# Altium PCB GridSeed.PcbDoc (part 4 of 4)
Units mm, origin at the board's own origin, x right, y up, seen from the top; angles counter-clockwise.
Board outline 91 x 132.25 mm, 4 copper layers (Top Layer, Mid-Top Layer, Mid-Bottom Layer, Bottom Layer); 396 components, 143 nets, 1833 pads, 2320 vias.
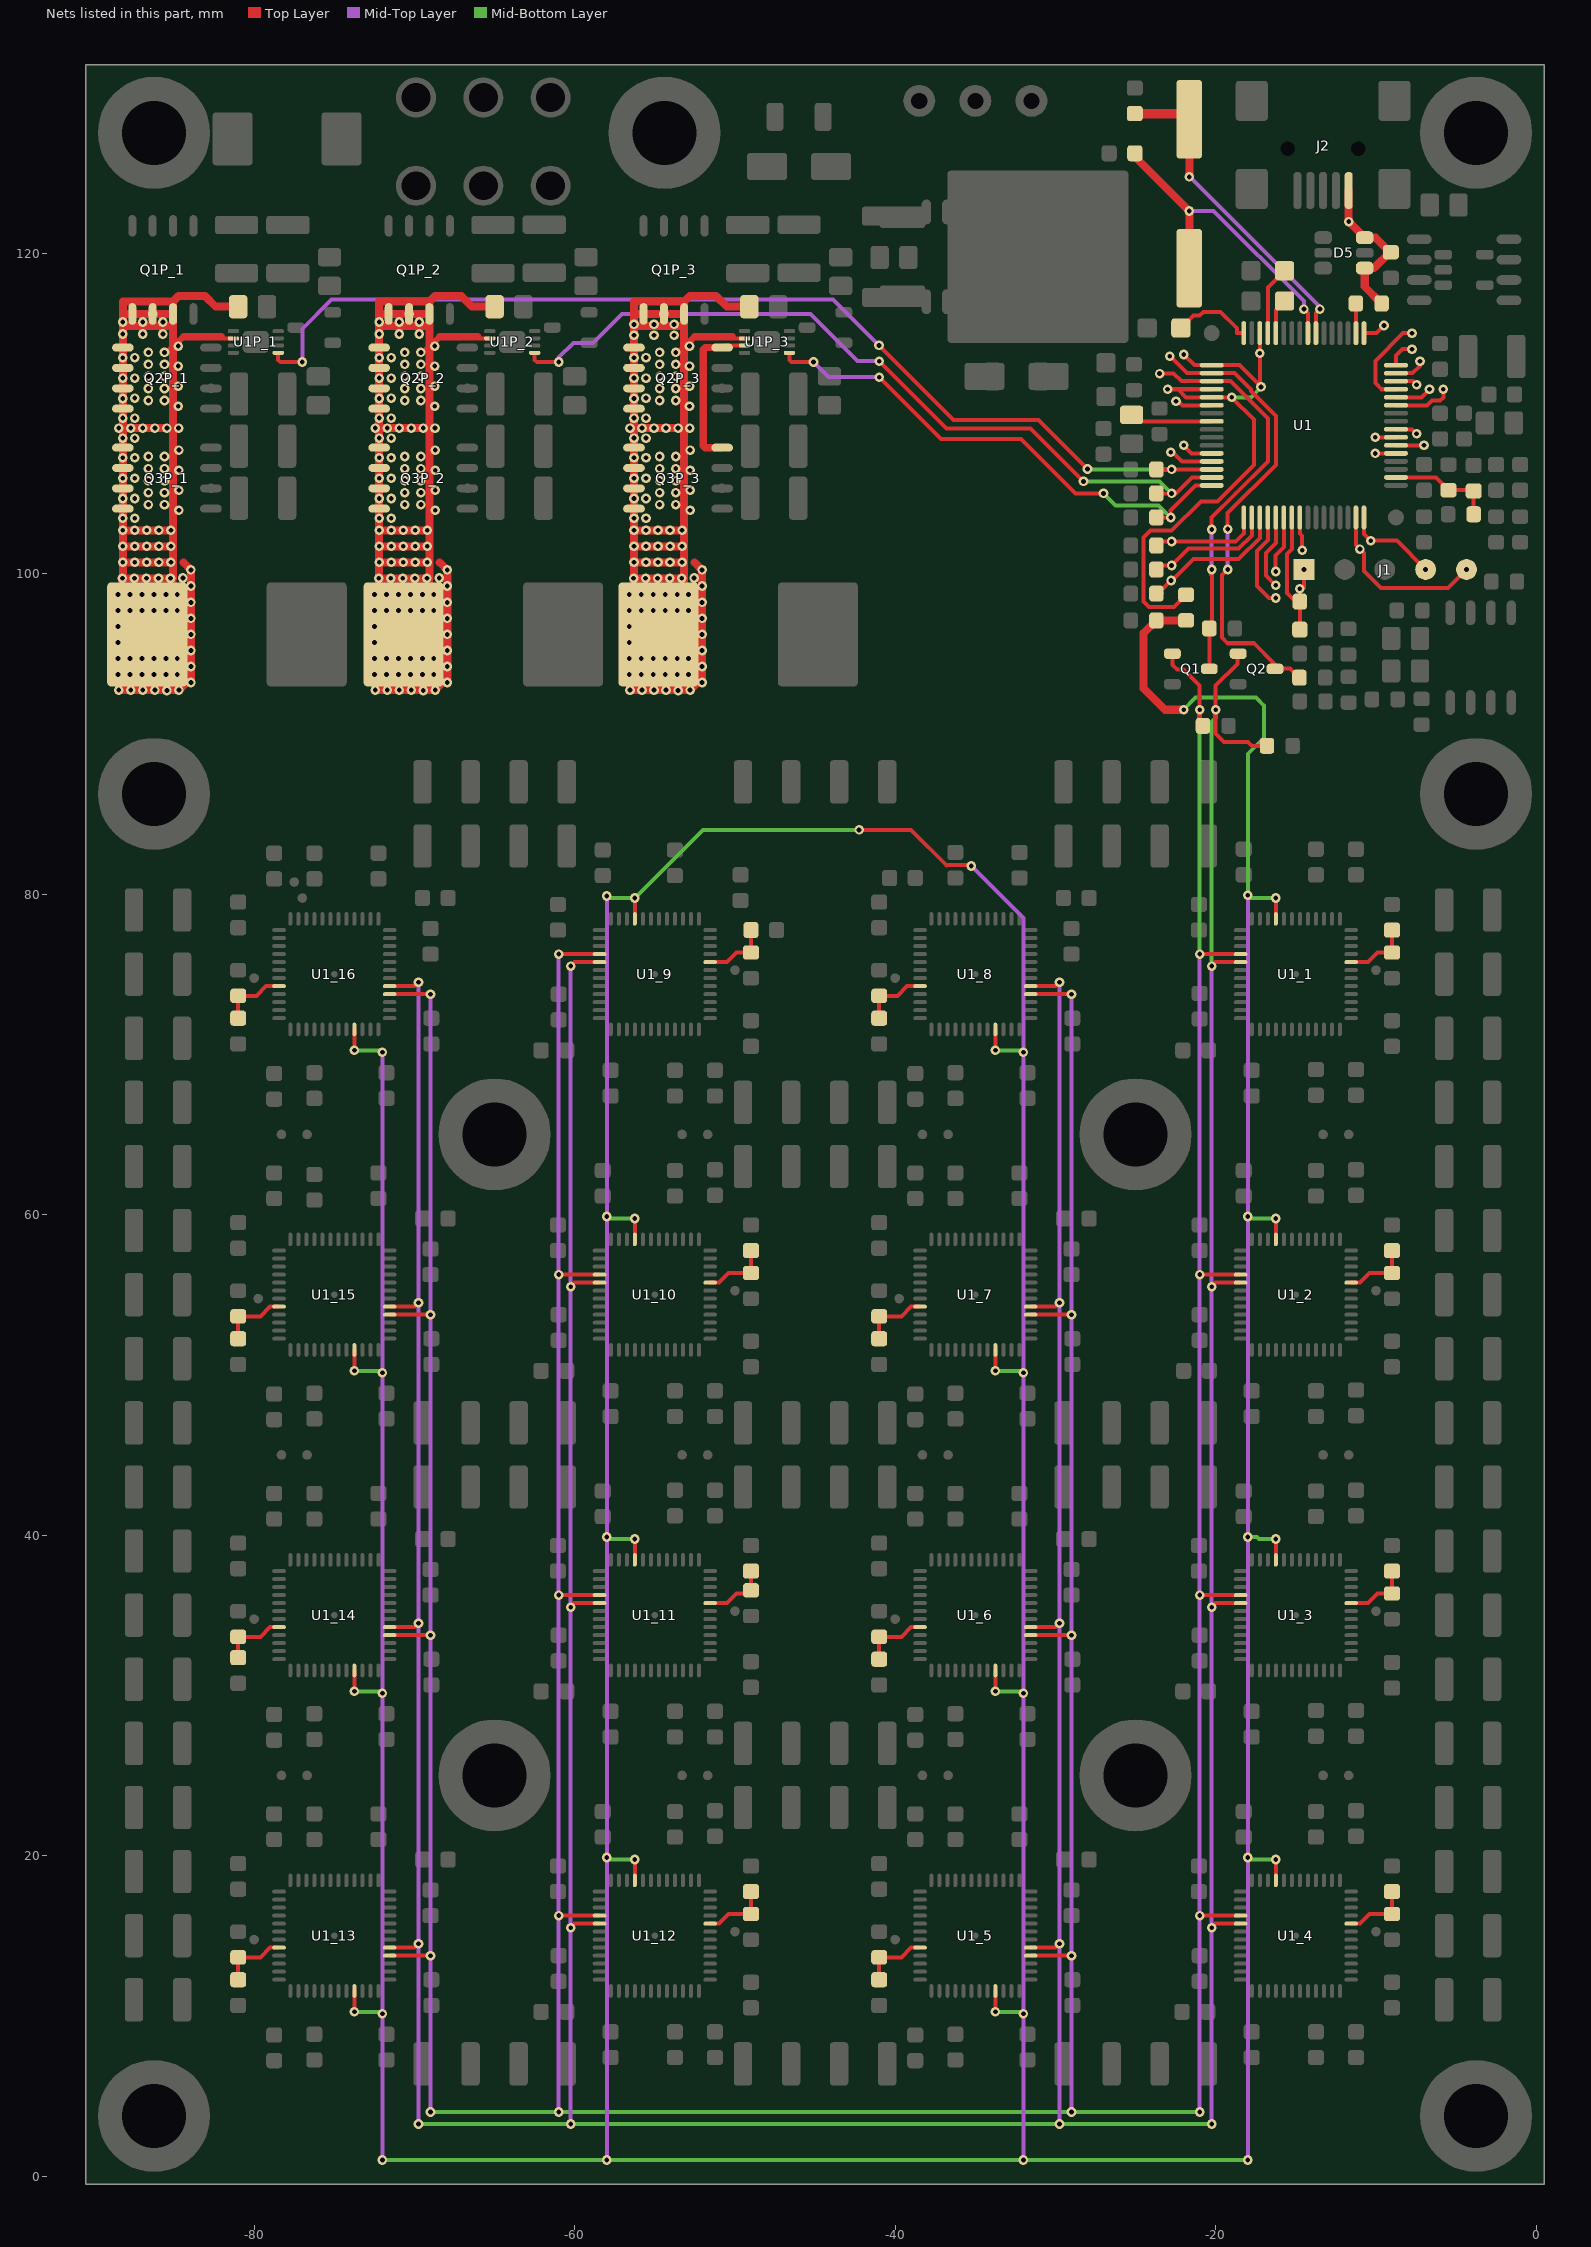
[diagram p6: the nets of this part, all layers, seen from the top]

## Via types
v1: diameter 0.6, hole 0.3, Top Layer to Bottom Layer, tented both sides, 1744 vias
v2: diameter 0.6, hole 0.3, Top Layer to Bottom Layer, 576 vias

## Nets (pads, with @x,y where several pads share a name; then routed paths per layer and width w, separated by ;. In a path a pad name is that pad's centre, name@x,y a point inside that pad or via, vN(x,y) a via of type N, cw(c..) or ccw(c..) an arc to the next point about the centre after c; other vN are vias at no path point) (continued)
LO3: Q2P_3.4 Q3P_3.4 U1P_3.3 | length 9.7
  Top Layer w0.25: Q2P_3.4@-50.65,114.225 U1P_3.3@-49.4,114.225 U1P_3.3@-49.375,114.225
  Top Layer w0.45: Q3P_3.4@-50.85,107.855 -51.855,107.855 -51.975,107.975 -51.975,113.987 -51.862,114.1 Q2P_3.4@-50.8,114.1
"MAIN OSC IN": C12.1 U1.39 Y1.1 | length 20.4
  Top Layer w0.25: Y1.1@-22,128.7 Y1.1@-21.65,128.35 ; U1.39@-13.75,115 -13.75,116.25 v1(-13.5,116.5)
  Top Layer w0.5: v1(-21.65,124.75) Y1.1@-21.65,128.35
  Top Layer w0.6: C12.1@-25.05,128.7 Y1.1@-22,128.7
  Mid-Top Layer w0.25: v1(-21.65,124.75) -21.614,124.75 -13.5,116.636 v1(-13.5,116.5)
"MAIN OSC OUT": C13.1 U1.40 Y1.2 | length 20.6
  Top Layer w0.25: C13.1@-25.05,126.025 C13.1@-25.05,126.225 ; Y1.2@-21.974,118.726 Y1.2@-21.65,119.05 Y1.2@-21.65,121.2 ; v1(-14.5,116.5) -14.25,116.25 U1.40@-14.25,115
  Top Layer w0.5: C13.1@-25.05,126.025 v1(-21.65,122.625) Y1.2@-21.65,121.2
  Mid-Top Layer w0.25: v1(-21.65,122.625) -20.125,122.625 -14.5,117 v1(-14.5,116.5)
MCLR: C7.1 J1.1 R22.1 U1.7 | length 9.8
  Top Layer w0.254: U1.7@-15.25,103.5 -15.25,101.525 -15.548,101.227 -15.548,98.798 R22.1@-14.75,98 ; C7.1@-14.75,96.5 R22.1@-14.75,98 ; v1(-14.5,100.25) -14.5,99.125 -14.75,98.875 R22.1@-14.75,98
  other v1: -14.75,99.05
MCU5.0V: R23.2 U1.34 | length 1.8
  Top Layer w0.25: U1.34@-11.25,115 R23.2@-11.25,116.85
MCU_MISO0: U1.5 | length 4.8
  Top Layer w0.25: v1(-16.25,99.275) -16.284,99.275 -16.875,99.866 -16.875,101.275 -16.25,101.9 U1.5@-16.25,103.5
MCU_MOSI0: U1.6 | length 3.6
  Top Layer w0.25: v1@-16.275,100.125 -16.275,101.139 -15.75,101.664 U1.6@-15.75,103.5 U1.6@-15.755,103.495
  other v1: -16.25,100.125
MCU_SCK0: U1.4 | length 6
  Top Layer w0.25: U1.4@-16.75,103.5 -16.75,102.091 -17.425,101.416 -17.425,99.225 -16.675,98.475 v1(-16.25,98.475)
MEAS12: C2.1 R15.2 R16.2 U1.18 | length 6.7
  Top Layer w0.25: U1.18@-8.75,106 -6.25,106 -5.45,105.2 -3.95,105.2 C2.1@-3.9,105.15 R15.2@-3.9,103.7
ORANGE: D4.2 U1.45 | length 4.3
  Top Layer w0.25: U1.45@-16.75,115 -16.75,117.85 D4.2@-15.7,118.9
PGC: J1.5 U1.15 | length 10.9
  Top Layer w0.25: U1.15@-11.25,103.5 -11.25,101.775 v1(-11,101.525) -10.75,101.275 -10.75,100.171 -9.679,99.1 -5.5,99.1 v1(-4.35,100.25)
PGD: J1.4 U1.16 | length 5.8
  Top Layer w0.25: U1.16@-10.75,103.5 -10.75,102.475 v1(-10.326,102.051) -8.701,102.051 v1(-6.9,100.25)
PWM1H: U1.61 | length 2.8
  Top Layer w0.25: v1(-22.808,107.575) -22.691,107.575 -22.116,107 U1.61@-20.25,107
PWM1L: U1.60 | length 2
  Top Layer w0.25: v1(-22,108) -21.5,107.5 U1.60@-20.25,107.5
PWM2H: R10.1 U1.63 U1P_2.5 | length 50.4
  Top Layer w0.25: U1P_2.5@-62.5,113.75 -62.5,113.325 -62.362,113.187 -60.85,113.187 -60.863,113.2 v1(-61,113.2) ; v1(-41,113.25) -36.812,109.062 -31.562,109.062 v1(-28.25,105.75) ; R10.1@-23.7,105 v1(-22.75,105) -22.483,105 -21.483,106 U1.63@-20.25,106
  Mid-Top Layer w0.25: v1(-61,113.2) -61,113.484 -60.084,114.4 -58.85,114.4 -57.05,116.2 -45.3,116.2 -42.35,113.25 v1(-41,113.25)
  Mid-Bottom Layer w0.25: v1(-28.25,105.75) -23.5,105.75 v1(-22.75,105)
PWM2L: R11.1 U1.62 U1P_1.5 | length 67.2
  Top Layer w0.25: U1P_1.5@-78.5,113.75 -78.5,113.325 -78.362,113.187 -76.85,113.187 -76.863,113.2 v1(-77,113.2) ; v1(-41.012,114.237) -36.35,109.575 -31.05,109.575 v1(-28,106.525) ; R11.1@-23.7,106.5 v1(-22.75,106.5) U1.62@-20.25,106.5
  Mid-Top Layer w0.25: v1(-77,113.2) -77,115.275 -75.175,117.1 -43.875,117.1 v1(-41.012,114.237)
  Mid-Bottom Layer w0.25: v1@-28,106.5 v1(-22.75,106.5)
PWM3H: R12.2 U1.1 | length 6.7
  Top Layer w0.25: R12.2@-23.7,102 v1(-22.75,102) -18.75,102 -18.25,102.5 U1.1@-18.25,103.5
PWM3L: R9.1 U1.64 U1P_3.5 | length 33.1
  Top Layer w0.25: U1P_3.5@-46.6,113.75 -46.6,113.325 -46.462,113.187 -44.95,113.187 -44.963,113.2 v1(-45.1,113.2) ; v1(-41,112.25) -37.15,108.4 -32.15,108.4 -28.75,105 v1(-27,105) ; R9.1@-23.7,103.5 v1(-22.808,103.5) -22.808,103.942 -21.25,105.5 U1.64@-20.25,105.5
  Mid-Top Layer w0.25: v1(-45.1,113.2) -44.15,112.25 v1(-41,112.25)
  Mid-Bottom Layer w0.25: v1(-27,105) -26.25,104.25 -23.558,104.25 v1(-22.808,103.5)
PWM4H: R14.2 U1.3 | length 9
  Top Layer w0.25: R14.2@-23.7,98.75 R14.2@-23.35,98.75 ; R14.2@-23.35,99 v1(-22.783,99.567) ; v1@-22.726,99.576 -21.4,100.903 -18.574,100.903 -17.25,102.227 U1.3@-17.25,103.5
PWM4L: R13.2 U1.2 | length 7.8
  Top Layer w0.25: R13.2@-23.625,100.5 v1(-22.75,100.5) -21.7,101.55 -18.564,101.55 -17.75,102.364 U1.2@-17.75,103.5
  Mid-Bottom Layer w0.25: v1@-22.75,100.484 v1(-22.75,100.5)
RED: D1.2 U1.48 | length 5.1
  Top Layer w0.25: D1.2@-22.158,115.335 -21.393,116.1 -21,116.1 -20.766,116.334 -19.698,116.334 -18.671,115.307 -18.671,115 U1.48@-18.25,115
REPORT_N: Q1.3 R1.1 U1.51 | length 25.8
  Top Layer w0.25: v1(-23.5,112.475) -22.619,112.475 -22.144,112 -19.075,112 -16.75,109.675 -16.75,107 -18.75,105 -20.25,103.5 v1(-20.25,102.75) ; Q1.3@-20.4,94.05 R1.1@-20.4,96.575 -20.243,96.732 -20.243,100.243 v1(-20.25,100.25)
  Mid-Top Layer w0.25: -20.25,99.925 v1(-20.25,100.25) v1(-20.25,102.75)
  Mid-Bottom Layer w0.25: v1(-20.25,100.25) -20.25,99.925 ; -20.25,99.925 -20.25,99.9 -20.243,99.893 -20.243,99.918 -20.25,99.925
REPORT_NA: Q1.1 R24.1 U1_1.16 U1_2.16 U1_3.16 U1_4.16 U1_5.16 U1_6.16 U1_7.16 U1_8.16 U1_9.16 U1_10.16 U1_11.16 U1_12.16 U1_13.16 U1_14.16 U1_15.16 U1_16.16 | length 392.9
  Top Layer w0.25: U1_16.16@-71.55,73.75 -70.5,73.75 ; U1_13.16@-71.475,13.75 -69.25,13.75 v1(-69,13.75) ; U1_14.16@-71.475,33.75 -70.5,33.75 v1(-69,33.75) ; U1_15.16@-71.475,53.75 -69.25,53.75 v1(-69,53.75) ; -70.5,73.75 v1(-69,73.75) ; v1(-61,36.25) -60.75,36.25 U1_11.16@-58.525,36.25 ; v1(-61,56.25) -60.75,56.25 U1_10.16@-58.525,56.25 ; v1(-61,76.25) U1_9.16@-58.45,76.25 ; v1@-60.75,16.25 U1_12.16@-58.525,16.25 ; U1_8.16@-31.55,73.75 -30.5,73.75 v1(-29,73.75) ; U1_5.16@-31.475,13.75 -29.25,13.75 v1(-29,13.75) ; U1_6.16@-31.475,33.75 -30.5,33.75 v1(-29,33.75) ; U1_7.16@-31.475,53.75 -29.25,53.75 v1(-29,53.75) ; Q1.1@-22.7,95 -22.7,94.3 -22.4,94 -22,94 -21,93 v1(-21,91.5) -21,90.7 R24.1@-20.8,90.5 ; v1(-21,16.25) -20.75,16.25 U1_4.16@-18.525,16.25 ; v1(-21,36.25) -20.75,36.25 U1_3.16@-18.525,36.25 ; v1(-21,56.25) -20.75,56.25 U1_2.16@-18.525,56.25 ; v1(-21,76.25) U1_1.16@-18.45,76.25
  Mid-Top Layer w0.25: v1@-69.25,73.75 v1(-69,73.75) -69,15 v1(-69,13.75) v1(-69,4) ; v1(-61,4) v1(-61,76.25) ; v1@-29.25,73.75 v1(-29,73.75) -29,15 v1(-29,13.75) v1(-29,4) ; v1(-21,4) v1(-21,76.25)
  Mid-Bottom Layer w0.25: v1(-69,4) v1(-29,4) v1(-21,4) ; v1(-21,76.25) v1(-21,91.5)
  other v1: -61,16.25
REPORT_P: Q2.3 R2.1 U1.50 | length 29.4
  Top Layer w0.25: v1(-22.862,113.562) -21.8,112.5 U1.50@-20.25,112.5 -18.825,112.5 -17.8,111.475 -17.8,111.391 -16.25,109.841 -16.25,106.772 -19.25,103.772 v1(-19.25,102.775) ; v1(-19.25,100.25) -19.6,99.9 -19.6,96 -19.25,95.65 -17.625,95.65 -16.3,94.325 Q2.3@-16.3,94.05 ; Q2.3@-16.275,94.075 -15.35,94.075 R2.1@-14.775,93.5
  Mid-Top Layer w0.25: v1(-19.25,100.25) v1(-19.25,102.775)
REPORT_PA: Q2.1 R32.1 U1_1.17 U1_2.17 U1_3.17 U1_4.17 U1_5.17 U1_6.17 U1_7.17 U1_8.17 U1_9.17 U1_10.17 U1_11.17 U1_12.17 U1_13.17 U1_14.17 U1_15.17 U1_16.17 | length 391.4
  Top Layer w0.25: U1_13.17@-71.55,14.25 -70,14.25 v1(-69.75,14.5) ; U1_16.17@-71.55,74.25 -70,74.25 v1(-69.75,74.5) ; U1_14.17@-71.475,34.25 -70,34.25 v1(-69.75,34.5) ; U1_15.17@-71.475,54.25 -70,54.25 v1(-69.75,54.5) ; v1(-60.25,15.5) -60,15.75 U1_12.17@-58.525,15.75 ; v1(-60.25,35.5) -60,35.75 U1_11.17@-58.525,35.75 ; v1(-60.25,55.5) -60,55.75 U1_10.17@-58.525,55.75 ; v1(-60.25,75.5) -60,75.75 U1_9.17@-58.45,75.75 ; U1_5.17@-31.55,14.25 -30,14.25 v1(-29.75,14.5) ; U1_8.17@-31.55,74.25 -30,74.25 v1(-29.75,74.5) ; U1_6.17@-31.475,34.25 -30,34.25 v1(-29.75,34.5) ; U1_7.17@-31.475,54.25 -30,54.25 v1(-29.75,54.5) ; v1(-20.25,15.5) -20,15.75 U1_4.17@-18.525,15.75 ; v1(-20.25,35.5) -20,35.75 U1_3.17@-18.525,35.75 ; v1(-20.25,55.5) -20,55.75 U1_2.17@-18.525,55.75 ; v1(-20.25,75.5) -20,75.75 U1_1.17@-18.45,75.75 ; Q2.1@-18.65,95 -18.65,94.35 -20,93 v1(-20,91.5) -20,90.006 -19.494,89.5 -18,89.5 -17.75,89.25 R32.1@-16.8,89.25
  Mid-Top Layer w0.25: v1(-69.75,3.25) v1(-69.75,14.5) v1(-69.75,34.5) v1(-69.75,54.5) v1(-69.75,74.5) ; v1(-60.25,3.25) v1(-60.25,15.5) v1(-60.25,35.5) v1(-60.25,55.5) v1(-60.25,75.5) ; v1(-29.75,3.25) v1(-29.75,14.5) v1(-29.75,34.5) v1(-29.75,54.5) v1(-29.75,74.5) ; v1(-20.25,3.25) v1(-20.25,15.5) v1(-20.25,35.5) v1(-20.25,55.5) v1(-20.25,75.5)
  Mid-Bottom Layer w0.25: v1(-69.75,3.25) v1(-60.25,3.25) v1(-20.25,3.25) ; v1(-20.25,75.5) -20.25,90.75 -20,91 v1(-20,91.5)
RESET1: C10_1.1 R1_1.2 U1_1.44 | length 4.2
  Top Layer w0.25: U1_1.44@-11.55,75.75 -10.5,75.75 -9.9,76.35 R1_1.2@-9,76.35 C10_1.1@-9,77.75
RESET2: C10_2.1 R1_2.2 U1_2.44 | length 4.2
  Top Layer w0.25: U1_2.44@-11.55,55.75 -11,55.75 -10.4,56.35 R1_2.2@-9,56.35 C10_2.1@-9,57.75
RESET3: C10_3.1 R1_3.2 U1_3.44 | length 4.1
  Top Layer w0.25: U1_3.44@-11.475,35.75 -10.5,35.75 -9.9,36.35 R1_3.2@-9,36.35 C10_3.1@-9,37.75
RESET4: C10_4.1 R1_4.2 U1_4.44 | length 4.2
  Top Layer w0.25: U1_4.44@-11.55,15.75 -11,15.75 -10.4,16.35 R1_4.2@-9,16.35 C10_4.1@-9,17.75
RESET5: C10_5.1 R1_5.2 U1_5.44 | length 4.1
  Top Layer w0.25: C10_5.1@-41,12.25 R1_5.2@-41,13.65 -39.6,13.65 -39,14.25 U1_5.44@-38.525,14.25
RESET6: C10_6.1 R1_6.2 U1_6.44 | length 4.1
  Top Layer w0.25: C10_6.1@-41,32.25 R1_6.2@-41,33.65 -39.6,33.65 -39,34.25 U1_6.44@-38.525,34.25
RESET7: C10_7.1 R1_7.2 U1_7.44 | length 4.1
  Top Layer w0.25: C10_7.1@-41,52.25 R1_7.2@-41,53.65 -39.6,53.65 -39,54.25 U1_7.44@-38.525,54.25
RESET8: C10_8.1 R1_8.2 U1_8.44 | length 4.2
  Top Layer w0.25: C10_8.1@-41,72.25 R1_8.2@-41,73.65 -39.85,73.65 -39.25,74.25 U1_8.44@-38.45,74.25
RESET9: C10_9.1 R1_9.2 U1_9.44 | length 4.2
  Top Layer w0.25: U1_9.44@-51.55,75.75 -50.5,75.75 -49.9,76.35 R1_9.2@-49,76.35 C10_9.1@-49,77.75
RESET10: C10_10.1 R1_10.2 U1_10.44 | length 4.2
  Top Layer w0.25: U1_10.44@-51.55,55.75 -51,55.75 -50.4,56.35 R1_10.2@-49,56.35 C10_10.1@-49,57.75
RESET11: C10_11.1 R1_11.2 U1_11.44 | length 4.1
  Top Layer w0.25: U1_11.44@-51.475,35.75 -50.5,35.75 -49.9,36.35 -49,36.35 C10_11.1@-49,37.75
RESET12: C10_12.1 R1_12.2 U1_12.44 | length 4.2
  Top Layer w0.25: U1_12.44@-51.55,15.75 -51,15.75 -50.4,16.35 R1_12.2@-49,16.35 C10_12.1@-49,17.75
RESET13: C10_13.1 R1_13.2 U1_13.44 | length 4.1
  Top Layer w0.25: C10_13.1@-81,12.25 R1_13.2@-81,13.65 -79.6,13.65 -79,14.25 U1_13.44@-78.525,14.25
RESET14: C10_14.1 R1_14.2 U1_14.44 | length 4.1
  Top Layer w0.25: C10_14.1@-81,32.25 R1_14.2@-81,33.65 -79.6,33.65 -79,34.25 U1_14.44@-78.525,34.25
RESET15: C10_15.1 R1_15.2 U1_15.44 | length 4.1
  Top Layer w0.25: C10_15.1@-81,52.25 R1_15.2@-81,53.65 -79.6,53.65 -79,54.25 U1_15.44@-78.525,54.25
RESET16: C10_16.1 R1_16.2 U1_16.44 | length 4.2
  Top Layer w0.25: C10_16.1@-81,72.25 R1_16.2@-81,73.65 -79.85,73.65 -79.25,74.25 U1_16.44@-78.45,74.25
SWN1: C3P_1.2 L1P_1.1 pad.0@-86.335,116.2 Q1P_1.1 Q1P_1.2 Q1P_1.3 Q2P_1.5 Q2P_1.6 Q2P_1.7 Q2P_1.8 Q3P_1.5 Q3P_1.6 Q3P_1.7 Q3P_1.8 U1P_1.2 | length 111
  Top Layer w0.25: -82.75,114.78 -82.646,114.675 U1P_1.2@-81.3,114.675
  Top Layer w0.4: -85.25,113.95 -85.065,114.135 -84.425,114.775
  Top Layer w0.45: -84.42,114.78 -82.75,114.78 -82.045,114.78
  Top Layer w0.5: v1(-88.5,93.7) L1P_1.1@-88.45,93.7 ; v1(-88.5,94.7) L1P_1.1@-88.175,94.7 ; v1(-88.5,97.7) L1P_1.1@-88.175,97.7 ; v1(-88.5,98.7) L1P_1.1@-88.225,98.7 ; L1P_1.1@-88.225,97.725 L1P_1.1@-88.225,98.7 ; L1P_1.1@-88.2,97.725 L1P_1.1@-88.175,97.7 ; v1(-88.2,101.7) v1(-87.45,101.7) v1(-86.7,101.7) v1(-85.95,101.7) v1(-85.2,101.7) v1@-85.065,101.7 ; -88.2,116.2 -88.2,116.978 -85.065,116.978 ; v1@-88.045,115.45 -85.065,115.45 ; L1P_1.1@-86.41,94.09 L1P_1.1@-85.8,94.7 ; L1P_1.1@-85.365,93.7 v1(-85.5,93.7) v1(-86.25,93.7) v1(-87,93.7) v1(-87.75,93.7) L1P_1.1@-88.45,93.7 ; L1P_1.1@-85.365,94.7 v1(-85.5,94.7) L1P_1.1@-85.8,94.7 ; L1P_1.1@-85.365,97.7 v1(-85.5,97.7) v1(-86.25,97.7) v1(-87,97.7) v1(-87.75,97.7) L1P_1.1@-88.175,97.7 ; L1P_1.1@-85.365,98.7 v1(-85.5,98.7) v1(-86.25,98.7) v1(-87,98.7) v1(-87.75,98.7) L1P_1.1@-88.225,98.7 ; L1P_1.1@-85.09,97.81 -85.09,99.7 v1(-85.225,99.7) v1(-85.975,99.7) v1(-86.725,99.7) v1(-87.475,99.7) v1@-88.2,99.7 ; v1@-85.065,99.7 v1@-85.065,100.7 ; L1P_1.1@-84.8,92.975 v1(-84.8,93.7) v1(-84.8,94.7) L1P_1.1@-84.8,95.7 ; v1(-84.8,97.7) L1P_1.1@-84.8,95.7 ; -84.425,100.7 v1(-83.95,100.225) v1(-83.95,98.2) v1(-83.95,97.2) v1(-83.95,96.2) v1(-83.95,95.2) v1(-83.95,94.2) -83.95,93.475 v1(-84.7,92.725) v1(-86.2,92.725) v1(-86.95,92.725) v1(-87.7,92.725) v1(-88.45,92.725) L1P_1.1@-88.45,93.7 ; C3P_1.2@-81,116.65 -82.4,116.65 -83.075,117.325 -84.718,117.325 -85.065,116.978 ; L1P_1.1@-88.45,93.7 -88.45,94.425 L1P_1.1@-88.175,94.7 ; L1P_1.1@-88.225,98.7 v1(-88.225,99.7) v1@-88.2,99.7 ; v1@-88.2,99.7 v1(-88.2,100.7) ; v1(-88.2,100.7) v1(-87.45,100.7) v1(-86.7,100.7) v1(-85.95,100.7) v1(-85.2,100.7) v1@-85.065,100.7 ; v1(-88.2,100.7) v1(-88.2,101.7) v1(-88.2,102.7) ; v1(-88.2,102.7) v1(-87.45,102.7) v1(-86.7,102.7) v1(-85.95,102.7) v1(-85.2,102.7) v1@-85.065,102.7 ; v1(-88.2,102.7) v1(-88.2,103.45) v1(-88.2,104.68) v1(-88.2,105.95) v1(-88.2,107.22) v1(-88.2,108.45) v1@-88.2,109.072 ; v1@-88.2,109.072 v1(-88.2,109.7) v1(-88.2,110.925) v1(-88.2,112.195) v1(-88.2,113.465) v1(-88.2,114.95) v1(-88.2,115.7) -88.2,116.2 pad.0@-86.335,116.2 Q1P_1.3@-85.065,116.2 ; v1@-88.2,109.072 v1(-87.7,109.072) v1(-86.95,109.072) v1(-86.2,109.072) v1(-85.45,109.072) -85.065,109.072 ; L1P_1.1@-88.175,94.7 L1P_1.1@-86.675,96.2 L1P_1.1@-88.175,97.7 ; L1P_1.1@-88.175,94.7 v1(-87.75,94.7) v1(-87,94.7) v1(-86.25,94.7) L1P_1.1@-85.8,94.7 ; L1P_1.1@-85.8,94.7 L1P_1.1@-84.8,95.7 ; v1@-85.065,100.7 v1@-85.065,101.7 ; v1@-85.065,101.7 v1@-85.065,102.7 ; v1@-85.065,102.7 -85.065,105.05 -85.065,107.3 -85.065,109.072 ; -85.065,109.072 -85.065,111.55 -85.065,114.135 -85.065,115.45 ; -85.065,115.45 Q1P_1.3@-85.065,116.2 ; Q1P_1.3@-85.065,116.2 -85.065,116.978
  other v1: -85.45,92.7 -83.95,93.2 -88.5,95.7 -88.5,96.7 -84.8,98.7 -83.95,99.225 -84.45,99.725 -87.45,103.45 -84.7,103.95 -86.6,104.3 -85.6,104.3 -87.45,104.68 -86.6,105.05 -85.6,105.05 -84.7,105.2 -86.6,105.8 -85.6,105.8 -87.45,105.95 -84.7,106.45 -86.6,106.55 -85.6,106.55 -87.45,107.22 -86.6,107.3 -85.6,107.3 -84.7,107.7 -87.45,108.45 -88.45,109.072 -84.718,109.072 -87.45,109.7 -84.736,110.445 -86.6,110.8 -85.6,110.8 -87.45,110.95 -86.6,111.55 -85.6,111.55 -84.736,111.695 -87.45,112.195 -86.6,112.3 -85.6,112.3 -84.736,112.945 -86.6,113.05 -85.6,113.05 -87.45,113.475 -86.6,113.8 -85.6,113.8 -84.736,114.195 -86.95,114.95 -85.7,114.95 -86.95,115.7 -85.7,115.7
SWN2: C3P_2.2 L1P_2.1 pad.0@-70.335,116.2 Q1P_2.1 Q1P_2.2 Q1P_2.3 Q2P_2.5 Q2P_2.6 Q2P_2.7 Q2P_2.8 Q3P_2.5 Q3P_2.6 Q3P_2.7 Q3P_2.8 U1P_2.2 | length 110.9
  Top Layer w0.25: -66.621,114.675 U1P_2.2@-65.3,114.675 U1P_2.2@-65.275,114.675
  Top Layer w0.4: -69.25,113.95 -69.065,114.135 -68.425,114.775
  Top Layer w0.45: -68.42,114.78 -66.045,114.78
  Top Layer w0.5: v1(-72.5,93.7) L1P_2.1@-72.45,93.7 ; v1(-72.5,94.7) L1P_2.1@-72.175,94.7 ; v1(-72.5,97.7) L1P_2.1@-72.175,97.7 ; v1(-72.5,98.7) L1P_2.1@-72.225,98.7 ; L1P_2.1@-72.225,97.725 L1P_2.1@-72.225,98.7 ; L1P_2.1@-72.2,97.725 L1P_2.1@-72.175,97.7 ; v1@-72.045,115.45 -69.065,115.45 ; L1P_2.1@-70.41,94.09 L1P_2.1@-69.8,94.7 ; L1P_2.1@-69.365,93.7 v1(-69.5,93.7) v1(-70.25,93.7) v1(-71,93.7) v1(-71.75,93.7) L1P_2.1@-72.45,93.7 ; L1P_2.1@-69.365,94.7 v1(-69.5,94.7) L1P_2.1@-69.8,94.7 ; L1P_2.1@-69.365,97.7 v1(-69.5,97.7) v1(-70.25,97.7) v1(-71,97.7) v1(-71.75,97.7) L1P_2.1@-72.175,97.7 ; L1P_2.1@-69.365,98.7 v1(-69.5,98.7) v1(-70.25,98.7) v1(-71,98.7) v1(-71.75,98.7) L1P_2.1@-72.225,98.7 ; L1P_2.1@-69.09,97.81 -69.09,99.7 v1(-69.225,99.7) v1(-69.975,99.7) v1(-70.725,99.7) v1(-71.475,99.7) v1@-72.2,99.7 ; v1@-69.065,99.7 v1@-69.065,100.7 ; L1P_2.1@-68.8,92.975 v1(-68.8,93.7) v1(-68.8,94.7) L1P_2.1@-68.8,95.7 ; v1(-68.8,97.7) L1P_2.1@-68.8,95.7 ; -68.425,100.7 v1(-67.95,100.225) v1(-67.95,98.2) v1(-67.95,97.2) v1(-67.95,96.2) v1(-67.95,95.2) v1(-67.95,94.2) -67.95,93.475 v1(-68.7,92.725) v1(-70.2,92.725) v1(-70.95,92.725) v1(-71.7,92.725) v1(-72.45,92.725) L1P_2.1@-72.45,93.7 ; C3P_2.2@-65,116.65 -66.4,116.65 -67.075,117.325 -68.718,117.325 -69.065,116.978 ; L1P_2.1@-72.45,93.7 -72.45,94.425 L1P_2.1@-72.175,94.7 ; L1P_2.1@-72.225,98.7 v1(-72.225,99.7) v1@-72.2,99.7 ; v1@-72.2,99.7 v1(-72.2,100.7) ; v1(-72.2,100.7) v1(-71.45,100.7) v1(-70.7,100.7) v1(-69.95,100.7) v1(-69.2,100.7) v1@-69.065,100.7 ; v1(-72.2,100.7) v1(-72.2,101.7) ; v1(-72.2,101.7) v1(-71.45,101.7) v1(-70.7,101.7) v1(-69.95,101.7) v1(-69.2,101.7) v1@-69.065,101.7 ; v1(-72.2,101.7) v1(-72.2,102.7) ; v1(-72.2,102.7) v1(-71.45,102.7) v1(-70.7,102.7) v1(-69.95,102.7) v1(-69.2,102.7) v1@-69.065,102.7 ; v1(-72.2,102.7) v1(-72.2,103.45) v1(-72.2,104.68) v1(-72.2,105.95) v1(-72.2,107.22) v1(-72.2,108.45) v1@-72.2,109.072 ; v1@-72.2,109.072 v1(-72.2,109.7) v1(-72.2,110.925) v1(-72.2,112.195) v1(-72.2,113.465) v1(-72.2,114.95) v1(-72.2,115.7) -72.2,116.2 ; v1@-72.2,109.072 v1(-71.7,109.072) v1(-70.95,109.072) v1(-70.2,109.072) v1(-69.45,109.072) -69.065,109.072 ; -72.2,116.2 pad.0@-70.335,116.2 Q1P_2.3@-69.065,116.2 ; -72.2,116.2 -72.2,116.978 -69.065,116.978 ; L1P_2.1@-72.175,94.7 L1P_2.1@-70.675,96.2 L1P_2.1@-72.175,97.7 ; L1P_2.1@-72.175,94.7 v1(-71.75,94.7) v1(-71,94.7) v1(-70.25,94.7) L1P_2.1@-69.8,94.7 ; L1P_2.1@-69.8,94.7 L1P_2.1@-68.8,95.7 ; v1@-69.065,100.7 v1@-69.065,101.7 ; v1@-69.065,101.7 v1@-69.065,102.7 ; v1@-69.065,102.7 -69.065,104.3 -69.065,106.45 -69.065,106.55 -69.065,109.072 ; -69.065,109.072 -69.065,111.55 -69.065,111.695 -69.065,114.135 -69.065,115.45 ; -69.065,115.45 Q1P_2.3@-69.065,116.2 ; Q1P_2.3@-69.065,116.2 -69.065,116.978
  other v1: -69.45,92.7 -67.95,93.2 -72.5,95.7 -72.5,96.7 -68.8,98.7 -67.95,99.225 -68.45,99.725 -71.45,103.45 -68.7,103.95 -70.6,104.3 -69.6,104.3 -71.45,104.68 -70.6,105.05 -69.6,105.05 -68.7,105.2 -70.6,105.8 -69.6,105.8 -71.45,105.95 -68.7,106.45 -70.6,106.55 -69.6,106.55 -71.45,107.22 -70.6,107.3 -69.6,107.3 -68.7,107.7 -71.45,108.45 -72.45,109.072 -68.718,109.072 -71.45,109.7 -68.736,110.445 -70.6,110.8 -69.6,110.8 -71.45,110.95 -70.6,111.55 -69.6,111.55 -68.736,111.695 -71.45,112.195 -70.6,112.3 -69.6,112.3 -68.736,112.945 -70.6,113.05 -69.6,113.05 -71.45,113.475 -70.6,113.8 -69.6,113.8 -68.736,114.195 -70.95,114.95 -69.7,114.95 -70.95,115.7 -69.7,115.7
SWN3: C3P_3.2 L1P_3.1 pad.0@-54.435,116.2 Q1P_3.1 Q1P_3.2 Q1P_3.3 Q2P_3.5 Q2P_3.6 Q2P_3.7 Q2P_3.8 Q3P_3.5 Q3P_3.6 Q3P_3.7 Q3P_3.8 U1P_3.2 | length 110.9
  Top Layer w0.25: -50.721,114.675 U1P_3.2@-49.4,114.675 U1P_3.2@-49.375,114.675
  Top Layer w0.4: -53.35,113.95 -53.165,114.135 -52.525,114.775
  Top Layer w0.45: -52.52,114.78 -50.145,114.78
  Top Layer w0.5: v1(-56.6,93.7) L1P_3.1@-56.55,93.7 ; v1(-56.6,94.7) L1P_3.1@-56.275,94.7 ; v1(-56.6,97.7) L1P_3.1@-56.275,97.7 ; v1(-56.6,98.7) L1P_3.1@-56.325,98.7 ; L1P_3.1@-56.325,97.725 L1P_3.1@-56.325,98.7 ; L1P_3.1@-56.3,97.725 L1P_3.1@-56.275,97.7 ; v1@-56.145,115.45 -53.165,115.45 ; L1P_3.1@-54.51,94.09 L1P_3.1@-53.9,94.7 ; L1P_3.1@-53.465,93.7 v1(-53.6,93.7) v1(-54.35,93.7) v1(-55.1,93.7) v1(-55.85,93.7) L1P_3.1@-56.55,93.7 ; L1P_3.1@-53.465,94.7 v1(-53.6,94.7) L1P_3.1@-53.9,94.7 ; L1P_3.1@-53.465,97.7 v1(-53.6,97.7) v1(-54.35,97.7) v1(-55.1,97.7) v1(-55.85,97.7) L1P_3.1@-56.275,97.7 ; L1P_3.1@-53.465,98.7 v1(-53.6,98.7) v1(-54.35,98.7) v1(-55.1,98.7) v1(-55.85,98.7) L1P_3.1@-56.325,98.7 ; L1P_3.1@-53.19,97.81 -53.19,99.7 v1(-53.325,99.7) v1(-54.075,99.7) v1(-54.825,99.7) v1(-55.575,99.7) v1@-56.3,99.7 ; v1@-53.165,99.7 v1@-53.165,100.7 ; L1P_3.1@-52.9,92.975 v1(-52.9,93.7) v1(-52.9,94.7) L1P_3.1@-52.9,95.7 ; v1(-52.9,97.7) L1P_3.1@-52.9,95.7 ; -52.525,100.7 v1(-52.05,100.225) v1(-52.05,98.2) v1(-52.05,97.2) v1(-52.05,96.2) v1(-52.05,95.2) v1(-52.05,94.2) -52.05,93.475 v1(-52.8,92.725) v1(-54.3,92.725) v1(-55.05,92.725) v1(-55.8,92.725) v1(-56.55,92.725) L1P_3.1@-56.55,93.7 ; C3P_3.2@-49.1,116.65 -50.5,116.65 -51.175,117.325 -52.818,117.325 -53.165,116.978 ; L1P_3.1@-56.55,93.7 -56.55,94.425 L1P_3.1@-56.275,94.7 ; L1P_3.1@-56.325,98.7 v1(-56.325,99.7) v1@-56.3,99.7 ; v1@-56.3,99.7 v1(-56.3,100.7) ; v1(-56.3,100.7) v1(-55.55,100.7) v1(-54.8,100.7) v1(-54.05,100.7) v1(-53.3,100.7) v1@-53.165,100.7 ; v1(-56.3,100.7) v1(-56.3,101.7) ; v1(-56.3,101.7) v1(-55.55,101.7) v1(-54.8,101.7) v1(-54.05,101.7) v1(-53.3,101.7) v1@-53.165,101.7 ; v1(-56.3,101.7) v1(-56.3,102.7) ; v1(-56.3,102.7) v1(-55.55,102.7) v1(-54.8,102.7) v1(-54.05,102.7) v1(-53.3,102.7) v1@-53.165,102.7 ; v1(-56.3,102.7) v1(-56.3,103.45) v1(-56.3,104.68) v1(-56.3,105.95) v1(-56.3,107.22) v1(-56.3,108.45) v1@-56.3,109.072 ; v1@-56.3,109.072 v1(-56.3,109.7) v1(-56.3,110.925) v1(-56.3,112.195) v1(-56.3,113.465) v1(-56.3,114.875) -56.3,116.2 ; v1@-56.3,109.072 v1(-55.8,109.072) v1(-55.05,109.072) v1(-54.3,109.072) v1(-53.55,109.072) -53.165,109.072 ; -56.3,116.2 pad.0@-54.435,116.2 Q1P_3.3@-53.165,116.2 ; -56.3,116.2 -56.3,116.978 -53.165,116.978 ; L1P_3.1@-56.275,94.7 L1P_3.1@-54.775,96.2 L1P_3.1@-56.275,97.7 ; L1P_3.1@-56.275,94.7 v1(-55.85,94.7) v1(-55.1,94.7) v1(-54.35,94.7) L1P_3.1@-53.9,94.7 ; L1P_3.1@-53.9,94.7 L1P_3.1@-52.9,95.7 ; v1@-53.165,100.7 v1@-53.165,101.7 ; v1@-53.165,101.7 v1@-53.165,102.7 ; v1@-53.165,102.7 -53.165,104.3 -53.165,107.3 -53.165,109.072 ; -53.165,109.072 -53.165,111.55 -53.165,114.135 -53.165,115.45 ; -53.165,115.45 Q1P_3.3@-53.165,116.2 ; Q1P_3.3@-53.165,116.2 -53.165,116.978
  other v1: -53.55,92.7 -52.05,93.2 -56.6,95.7 -56.6,96.7 -52.9,98.7 -52.05,99.225 -52.55,99.725 -55.55,103.45 -52.8,103.95 -54.7,104.3 -53.7,104.3 -55.55,104.68 -54.7,105.05 -53.7,105.05 -52.8,105.2 -54.7,105.8 -53.7,105.8 -55.55,105.95 -52.8,106.45 -54.7,106.55 -53.7,106.55 -55.55,107.22 -54.7,107.3 -53.7,107.3 -52.8,107.7 -55.55,108.45 -56.55,109.072 -52.818,109.072 -55.55,109.7 -52.836,110.445 -54.7,110.8 -53.7,110.8 -55.55,110.95 -54.7,111.55 -53.7,111.55 -52.836,111.695 -55.55,112.195 -54.7,112.3 -53.7,112.3 -52.836,112.945 -54.7,113.05 -53.7,113.05 -55.55,113.475 -54.7,113.8 -53.7,113.8 -52.836,114.195 -55.05,114.875 -53.8,114.875 -56.3,115.55 -55.05,115.55 -53.8,115.55
TP1: U1.54 | length 2.1
  Top Layer w0.25: v1@-22.25,110.675 -22.075,110.5 U1.54@-20.25,110.5
  other v1: -22.475,110.75
TP8: U1.33 | length 1.4
  Top Layer w0.25: U1.33@-10.75,115 -9.975,115 v1(-9.5,115.475)
TP9: U1.30 | length 1.4
  Top Layer w0.25: U1.30@-8.75,112 -7.687,112 v1(-7.462,111.775)
TP10: U1.29 | length 5.8
  Top Layer w0.25: U1.29@-8.75,111.5 -9.659,111.5 -10.042,111.884 -10.042,113.258 -8.3,115 v1(-7.75,115)
TP11: U1.28 | length 2.3
  Top Layer w0.25: U1.28@-8.75,111 -7.159,111 v1(-6.659,111.5)
TP12: U1.27 | length 3.7
  Top Layer w0.25: U1.27@-8.75,110.5 -6.818,110.5 -6.518,110.8 -6,110.8 -5.8,111 v1(-5.8,111.5)
TP13: U1.24 | length 1.4
  Top Layer w0.25: U1.24@-8.75,109 -7.737,109 v1(-7.462,108.725)
TP14: U1.23 | length 1.3
  Top Layer w0.25: v1(-10.042,108.5) U1.23@-8.75,108.5
TP15: U1.22 | length 1.8
  Top Layer w0.25: U1.22@-8.75,108 v1(-7,108)
TP16: U1.21 | length 1.3
  Top Layer w0.25: v1(-10.042,107.5) U1.21@-8.75,107.5
TP17: U1.8 | length 2.1
  Top Layer w0.25: U1.8@-14.75,103.5 -14.75,102.5 -14.6,102.35 v1(-14.6,101.45)
U2RX: U1.31 | length 2
  Top Layer w0.25: U1.31@-8.75,112.5 -7.712,112.5 -7.25,112.962 v1(-7.25,113.25)
U2TX: U1.32 | length 1.8
  Top Layer w0.25: U1.32@-8.75,113 -8.75,113.608 -8.358,114 v1(-7.75,114)
USB5.0V: D5.4 D5.6 J2.1 R23.1 R25.2 | length 9.9
  Top Layer w0.5: J2.1@-11.7,123.9 v1(-11.7,121.96) D5.6@-10.7,120.96 -10.042,120.96 -9.133,120.05 -10.123,119.06 -10.7,119.06 -10.7,117.9 R23.1@-9.65,116.85
VCAP: C1.1 U1.56 | length 5.3
  Top Layer w0.25: C1.1@-25.25,109.9 -25.25,109.589 -25.161,109.5 U1.56@-20.25,109.5
XCLK1: R3.2 U1.46 U1.49 U1.52 U1.53 | length 37.9
  Top Layer w0.25: v1(-23,111.5) -22.341,111.5 ; v1(-22,113.666) -21.334,113 -18.525,113 v1@-17.25,111.725 ; R3.2@-21.85,98.675 -22.6,97.925 -24.175,97.925 -24.5,98.25 -24.5,102.244 -24.069,102.675 -22.749,102.675 -20.924,104.5 -19.886,104.5 -17.625,106.761 -17.625,109.625 v1(-19,111) U1.53@-20.25,111 -21.841,111 -22.341,111.5 ; U1.52@-20.25,111.5 -22.341,111.5 ; v1@-17.25,111.65 v1@-17.25,111.725 ; U1.46@-17.25,115 v1(-17.25,113.75) v1@-17.25,111.725 ; v1(-17.175,111.65) v1@-17.25,111.725
  Mid-Bottom Layer w0.25: v1(-19,111) -17.788,111 v1@-17.288,111.5
XCLKIN: R3.1 R8.1 U1_1.9 U1_2.9 U1_3.9 U1_4.9 U1_5.9 U1_6.9 U1_7.9 U1_8.9 U1_9.9 U1_10.9 U1_11.9 U1_12.9 U1_13.9 U1_14.9 U1_15.9 U1_16.9 | length 467.9
  Top Layer w0.25: v1(-73.75,10.25) U1_13.9@-73.75,11.55 ; U1_12.9@-56.25,18.45 v1(-56.25,19.75) ; U1_11.9@-56.25,38.45 v1(-56.25,39.75) ; U1_9.9@-56.25,78.45 v1(-56.25,79.75) ; v1(-42.25,84) -39,84 -36.784,81.784 -36.768,81.8 -35.3,81.8 v1(-35.25,81.75) ; v1(-33.75,10.25) U1_5.9@-33.75,11.55 ; v1(-33.75,30.25) U1_6.9@-33.75,31.55 ; v1(-33.75,50.25) U1_7.9@-33.75,51.55 ; v1(-33.75,70.25) U1_8.9@-33.75,71.55 ; U1_4.9@-16.25,18.45 v1(-16.25,19.75) ; U1_3.9@-16.25,38.45 v1(-16.25,39.75) ; U1_2.9@-16.25,58.45 v1(-16.25,59.75) ; U1_1.9@-16.25,78.525 v1(-16.25,79.75) ; v1(-73.75,30.25) U1_14.9@-73.75,31.55 v1(-73.75,30.25) ; v1(-73.75,50.25) U1_15.9@-73.75,51.55 v1(-73.75,50.25) ; v1(-73.75,70.25) U1_16.9@-73.75,71.55 v1(-73.75,70.25) ; U1_10.9@-56.25,58.45 v1(-56.25,59.75) U1_10.9@-56.25,58.45
  Top Layer w0.5: v1(-22,91.5) -23.161,91.5 -24.5,92.839 -24.5,96.275 R8.1@-23.7,97.075 R3.1@-21.85,97.075
  Mid-Top Layer w0.25: v1(-72,1) -72,30.25 -72,50.5 v1@-72,70.25 ; v1(-58,1) v1(-58,19.875) v1(-58,39.875) v1@-58,79.75 ; v1(-35.25,81.75) -32,78.5 -32,50.5 v1(-32,50.125) -32,30.25 v1(-32,1) ; v1(-18,1) v1(-18,19.875) v1(-18,39.875) v1(-18,59.875) v1@-18,79.75
  Mid-Bottom Layer w0.25: v1(-73.75,10.25) v1@-72,10.25 ; v1(-73.75,30.25) v1@-72,30.25 ; v1(-73.75,50.25) v1@-72,50.25 ; v1(-73.75,70.25) v1@-72,70.25 ; v1(-72,1) v1(-32,1) v1(-18,1) ; v1@-58,19.75 v1(-56.25,19.75) ; v1@-58,39.75 v1(-56.25,39.75) ; v1@-58,59.75 v1(-56.25,59.75) ; v1@-58,79.75 v1(-56.25,79.75) -52,84 v1(-42.25,84) ; v1(-33.75,10.25) v1@-32,10.25 ; v1(-33.75,30.25) v1@-32,30.25 ; v1(-33.75,50.25) v1@-32,50.25 ; v1(-33.75,70.25) v1@-32,70.25 ; v1(-22,91.5) -21.25,92.25 -17.5,92.25 -17,91.75 -17,89.75 -18,88.75 v1(-18,79.925) -18,79.75 v1(-16.25,79.75) ; v1@-18,19.75 v1(-16.25,19.75) ; v1(-18,39.875) -17.425,39.875 -17.3,39.75 v1(-16.25,39.75) ; v1@-18,59.75 v1(-16.25,59.75)
  other v1: -72,10.125 -32,10.125 -72,30.125 -32,30.125 -72,50.125 -58,59.875 -72,70.125 -32,70.125 -58,79.875
YELLOW: D3.2 U1.44 | length 2.2
  Top Layer w0.25: U1.44@-16.25,115 -16.25,116.45 D3.2@-15.7,117
pads on no net: J2.4 J2.10 J2.11 U1.65 U1.66 U6.2 U6.3 U6.4 U7.2 U7.3 U7.4
copper on no net:
  other v1: -65,30.25 -65,31 -65,31.75 -65,32.5 -65,33.25 -65,37 -65,37.75 -65,38.5 -65,39.25 -65,40 -65,50.25 -65,51 -65,51.75 -65,52.5 -65,53.25 -65,57 -65,57.75 -65,58.5 -65,59.25 -65,60

## Polygon pours and split planes (outlines as drawn)
0.8V on Mid-Top Layer "1.2VPS MT" (solid, remove dead copper, pour order 201): -81,100.5 -41,100.5 -41,91.5 -80.75,91.5 -81,91.75
SWN1 on Mid-Top Layer "SWN1 MidTop" (solid, remove dead copper, pour order 196): -89.2,92.45 -83.6,92.45 -83.6,115.925 -83.608,115.918 -89.2,115.918
12V on Mid-Top Layer "12F1" (solid, remove dead copper, pour order 199): -89.229,115.977 -89.25,116.002 -89.25,122.677 -82.1,122.677 -82.1,115.977
SWN2 on Mid-Top Layer "SWN1 MidTop" (solid, remove dead copper, pour order 195): -73.2,92.45 -67.6,92.45 -67.6,115.925 -67.608,115.918 -73.2,115.918
SWN3 on Mid-Top Layer "SWN1 MidTop" (solid, remove dead copper, pour order 194): -57.3,92.45 -51.7,92.45 -51.7,115.925 -51.708,115.918 -57.3,115.918
12V on Mid-Top Layer "12F1" (solid, remove dead copper, pour order 198): -74.077,115.977 -74.1,116.002 -74.1,122.677 -66.1,122.677 -66.1,115.977
12V on Mid-Top Layer "12F1" (solid, remove dead copper, pour order 197): -58.177,115.977 -58.2,116.002 -58.2,122.677 -50.2,122.677 -50.2,115.977
GND on Mid-Top Layer "MT GND" (solid, pour order 200): -90.5,131.75 -90.5,-0.5 0.5,-0.5 0.5,131.75
12V on Bottom Layer "PS12V" (solid, remove dead copper, pour order 180): -90.5,116 -42.375,116 -42.375,131.8 -90.5,131.8
0.8V on Bottom Layer "PS0.8V" (solid, remove dead copper, pour order 188): -47.444,112.542 -46.991,112.542 -46.35,111.9 -44.85,110.4 -44.85,108.9 -42.35,106.4 -42.35,92.4 -47.547,92.4 -47.6,92.347
0.8V on Bottom Layer "PS0.8V" (solid, remove dead copper, pour order 189): -63.344,112.642 -62.891,112.642 -62.25,112 -60.75,110.5 -60.75,109 -58.25,106.5 -58.25,92.5 -63.447,92.5 -63.5,92.447
0.8V on Bottom Layer "PS0.8V" (solid, remove dead copper, pour order 187): -79.344,112.642 -78.892,112.642 -78.25,112 -76.75,110.5 -76.75,109 -74.25,106.5 -74.25,92.5 -79.447,92.5 -79.5,92.447
GND on Bottom Layer "PSGND" (solid, remove dead copper, pour order 185): -83.5,92.25 -79.5,92.25 -79.5,112.8 -79.45,112.75 -78.75,112.75 -76.5,110.5 -76.5,109 -75,109 -75,115.75 -83.5,115.75
GND on Bottom Layer "PSGND" (solid, remove dead copper, pour order 186): -67.5,92.25 -63.5,92.25 -63.5,112.8 -63.45,112.75 -63.25,112.75 -60.5,110 -60.5,109 -59,109 -59,115.75 -67.5,115.75
GND on Bottom Layer "PSGND" (solid, remove dead copper, pour order 184): -51.6,92.25 -47.6,92.25 -47.6,112.8 -47.55,112.75 -47,112.75 -45.75,111.5 -44.75,110.5 -44.75,109 -43.1,109 -43.1,115.75 -51.6,115.75
12V on Bottom Layer "12F1" (solid, remove dead copper, pour order 183): -89.985,115.962 -90.008,115.987 -90.008,122.662 -82.008,122.662 -82.008,115.962
SWN1 on Bottom Layer "SWN1 Bottom" (solid, remove dead copper, pour order 190): -90.5,92.447 -83.6,92.447 -83.6,115.969 -83.61,115.962 -90.5,115.962
SWN2 on Bottom Layer "SWN1 Bottom" (solid, remove dead copper, pour order 192): -76.75,92.447 -67.6,92.447 -67.6,115.969 -67.613,115.962 -76.75,115.962
12V on Bottom Layer "12F1" (solid, remove dead copper, pour order 182): -73.985,115.962 -74.008,115.987 -74.008,122.662 -66.008,122.662 -66.008,115.962
SWN3 on Bottom Layer "SWN1 Bottom" (solid, remove dead copper, pour order 191): -60.25,92.447 -51.7,92.447 -51.7,115.969 -51.712,115.962 -60.25,115.962
12V on Bottom Layer "12F1" (solid, remove dead copper, pour order 181): -58.085,115.962 -58.108,115.987 -58.108,122.662 -50.108,122.662 -50.108,115.962
GND on Bottom Layer "B GND BOARD" (solid, pour order 193): -90.5,131.75 -90.5,-0.5 0.5,-0.5 0.5,131.75
12V on Top Layer "12VPS Top" (solid, remove dead copper, pour order 220): -89.25,117.75 -76.25,117.75 -76.25,120.5 -82,120.5 -82.75,121.25 -82.75,122.75 -89.25,122.75
12V on Top Layer "12VPS Top" (solid, remove dead copper, pour order 221): -73.25,117.75 -60.25,117.75 -60.25,120.5 -66,120.5 -66.75,121.25 -66.75,122.75 -73.25,122.75
12V on Top Layer "12VPS Top" (solid, remove dead copper, pour order 222): -57.25,117.75 -44.25,117.75 -44.25,120.5 -50,120.5 -50.75,121.25 -50.75,122.75 -57.25,122.75
12V on Top Layer "12VProt Top" (solid, remove dead copper, pour order 223): -75.75,125.5 -75.75,131.25 -59.75,131.25 -59.75,128.5 -70.5,128.5 -73.5,125.5
0.8V on Top Layer "PS1 0.8V" (solid, remove dead copper, pour order 219): -47.85,92.5 -42.35,92.5 -42.35,106.5 -44.85,109 -44.85,112.75 -47.6,112.75 -47.85,112.5
0.8V on Top Layer "PS1 0.8V" (solid, remove dead copper, pour order 218): -63.75,92.5 -58.25,92.5 -58.25,106.5 -60.75,109 -60.75,112.75 -63.5,112.75 -63.75,112.5
0.8V on Top Layer "PS1 0.8V" (solid, remove dead copper, pour order 217): -79.75,92.5 -74.25,92.5 -74.25,106.5 -76.75,109 -76.75,112.75 -79.5,112.75 -79.75,112.5
SWN1 on Top Layer "SWN1 Top" (solid, remove dead copper, pour order 216): -89.2,92.95 -84.2,92.95 -84.2,117.45 -84.207,117.443 -89.2,117.443
SWN2 on Top Layer "SWN1 Top" (solid, remove dead copper, pour order 215): -73.2,92.95 -68.2,92.95 -68.2,117.45 -68.207,117.443 -73.2,117.443
SWN3 on Top Layer "SWN1 Top" (solid, remove dead copper, pour order 214): -57.3,92.95 -52.3,92.95 -52.3,117.45 -52.307,117.443 -57.3,117.443
GND on Top Layer "GNDP3" (solid, remove dead copper, pour order 212): -52,102 -47.75,102 -47.75,113.65 -48,113.65 -51.35,113.65 -51.5,113.5 -51.5,108.6 -51.3,108.4 -50.025,108.4 -49.85,108.225 -49.85,107.45 -50,107.3 -51.875,107.3 -52,107.175
GND on Top Layer "GNDP2" (solid, remove dead copper, pour order 211): -67.9,102 -63.65,102 -63.65,113.65 -63.9,113.65 -67.25,113.65 -67.4,113.5 -67.4,108.6 -67.2,108.4 -65.925,108.4 -65.75,108.225 -65.75,107.45 -65.9,107.3 -67.775,107.3 -67.9,107.175
GND on Top Layer "GNDP1" (solid, remove dead copper, pour order 213): -83.9,102 -79.65,102 -79.65,113.65 -79.9,113.65 -83.25,113.65 -83.4,113.5 -83.4,108.6 -83.2,108.4 -81.925,108.4 -81.75,108.225 -81.75,107.45 -81.9,107.3 -83.775,107.3 -83.9,107.175
0.8V on Top Layer "1.2VPS Top" (solid, remove dead copper, pour order 225): 0,86.25 -90.5,86.25 -90.5,108.5 -33,108.5 -27.75,103.25 -26.75,102.25 -26.75,100 -26.75,94.357 -23.375,90.982 -23.357,91 -11.75,91 -0.216,91 -0.137,91.079
0.8V on Top Layer "T 1.2V AVALON" (solid, remove dead copper, pour order 224): -90,90 0,90 0,0 -90,0
GND on Top Layer "T GND MCU HALF" (solid, remove dead copper, pour order 226): -90,131.5 -90,90 0,90 0,122 0,131.5 -15.5,131.5 -15.5,125.25 -11,125.25 -11,121.25 -15.5,121.25 -15.5,131.5
GND on Mid-Bottom Layer "MBGND" (solid, pour order 210): -90.5,131.75 -90.5,-0.5 0.5,-0.5 0.5,131.75
12V on Mid-Bottom Layer "12VPS MB" (solid, remove dead copper, pour order 208): -89.847,122.75 -88.25,122.75 -79.75,131.25 -60,131.25 -50.25,121.5 -50.25,121.25 -58.5,121.25 -60.25,123 -60.25,124.25 -61.25,125.25 -65.75,125.25 -66.75,124.5 -66.75,123.5 -66.25,123 -66.25,121 -71,121 -71,122.25 -68.75,124.5 -69.5,125.25 -80.25,125.25 -82.75,122.75 -82,122 -82,121.25 -89.863,121.25
SWN1 on Mid-Bottom Layer "SWN1 MidBottom" (solid, remove dead copper, pour order 204): -89.225,92.472 -83.625,92.472 -83.625,115.994 -83.633,115.987 -89.225,115.987
12V on Mid-Bottom Layer "12F1" (solid, remove dead copper, pour order 207): -90.077,117.75 -90.1,117.768 -90.1,122.677 -82.1,122.677 -82.1,117.75
SWN2 on Mid-Bottom Layer "SWN1 MidBottom" (solid, remove dead copper, pour order 203): -73.225,92.472 -67.625,92.472 -67.625,115.994 -67.633,115.987 -73.225,115.987
SWN3 on Mid-Bottom Layer "SWN1 MidBottom" (solid, remove dead copper, pour order 202): -57.325,92.472 -51.725,92.472 -51.725,115.994 -51.733,115.987 -57.325,115.987
12V on Mid-Bottom Layer "12F1" (solid, remove dead copper, pour order 206): -73.229,117.75 -73.25,117.767 -73.25,122.25 -66.1,122.25 -66.1,117.75
12V on Mid-Bottom Layer "12F1" (solid, remove dead copper, pour order 205): -58.177,117.55 -58.2,117.569 -58.2,122.677 -50.2,122.677 -50.2,117.55
0.8V on Mid-Bottom Layer "1.2VPS MB" (solid, remove dead copper, pour order 209): 0.5,-0.5 -90.5,-0.5 -90.5,86.25 -90.5,102 -81.25,102 -81.15,107 -79.5,108.5 -79.5,112.75 -76.75,112.75 -76.75,108.5 -73.506,108.5 -73.5,102.25 -65.25,102.25 -65.25,108.5 -63.5,108.5 -63.5,112.75 -60.75,112.75 -60.75,108.5 -57.5,108.5 -57.5,102.25 -49.25,102.25 -49.25,106.75 -47.5,108.5 -47.5,112.5 -45,112.5 -45,108.5 -30.25,108.5 -26.25,102.5 0.5,102.5 0.5,90

## Keep-outs
Keep-Out Layer:
  lines w0.25: -90.5,41.5 -90.5,131.8 0.5,131.8 0.5,41.5 ; -90.5,89.75 -90.5,-0.5 0.5,-0.5 0.5,89.5

## Other copper
Top Layer:
  region net HO3: -49.075,115.05 -49.075,115.25 -49.525,115.7 -49.65,115.7 -50.075,116.125 -50.95,116.125 -51.675,116.85 -51.875,116.85 -51.875,115.525 -51.575,115.225 -49.925,115.225 -49.75,115.05
  region net HO2: -64.975,115.05 -64.975,115.25 -65.425,115.7 -65.55,115.7 -65.975,116.125 -66.85,116.125 -67.575,116.85 -67.775,116.85 -67.775,115.525 -67.475,115.225 -65.825,115.225 -65.65,115.05
  region net GND: -79.15,113.9 -79.15,112.95 -82.85,112.9 -82.85,113.475 -82.625,113.625 -81.825,113.625 -81.55,113.9
  region net SWN1: -81.35,114.575 -81.35,114.8 -81.725,114.8 -81.925,115 -82.825,115 -82.825,114.575
  region net LO1: -81.35,114.325 -81.35,114.125 -81.725,114.125 -81.925,113.925 -82.825,113.9 -82.825,114.325
  region net HO1: -81,115.05 -81,115.25 -81.45,115.7 -81.575,115.7 -82,116.125 -82.875,116.125 -83.6,116.85 -83.8,116.85 -83.8,115.525 -83.5,115.225 -81.85,115.225 -81.675,115.05
  region net BOOT1: -78.8,115.05 -78.8,115.25 -78.5,115.55 -77.2,115.55 -77.2,115.05
  region net BOOT2: -62.8,115.05 -62.8,115.25 -62.5,115.55 -61.2,115.55 -61.2,115.05
  region net HO2: -65,115.05 -65,115.25 -65.3,115.55 -66.6,115.55 -66.6,115.25 -65.8,115.25 -65.6,115.05
  region net LO2: -65.35,114.325 -65.35,114.125 -65.725,114.125 -65.925,113.925 -66.825,113.9 -66.825,114.325
  region net SWN2: -65.35,114.575 -65.35,114.775 -65.725,114.775 -65.95,115 -66.825,115 -66.825,114.575
  region net GND: -63.15,113.9 -63.15,112.95 -66.85,112.9 -66.85,113.475 -66.625,113.625 -65.825,113.625 -65.55,113.9
  region net BOOT3: -46.9,115.05 -46.9,115.25 -46.6,115.55 -45.3,115.55 -45.3,115.05
  region net HO3: -49.1,115.05 -49.1,115.25 -49.4,115.55 -50.7,115.55 -50.7,115.25 -49.9,115.25 -49.7,115.05
  region net LO3: -49.45,114.325 -49.45,114.125 -49.825,114.125 -50.025,113.925 -50.925,113.9 -50.925,114.325
  region net SWN3: -49.45,114.575 -49.45,114.775 -49.825,114.775 -50.05,115 -50.925,115 -50.925,114.575
  region net GND: -47.25,113.9 -47.25,112.95 -50.95,112.9 -50.95,113.475 -50.725,113.625 -49.925,113.625 -49.65,113.9
  text "TECHNOBIT" at -53,0 h3

## Silkscreen, mask and mechanical layers (free items; w line width, h text height)
Top Overlay:
  drawing of 18 lines, arcs and shapes, not listed
Bottom Solder:
  region: 0,20.5 0,29.5 -90,29.5 -90,20.5
  region: 0,40.5 0,49.5 -90,49.5 -90,40.5
  region: 0,60.5 0,69.5 -90,69.5 -90,60.5
  region: -82,90 -90,90 -90,0 -82,0
  region: -8,0 0,0 0,90 -8,90

## Dimensions
-65,25 to -25,25 on Top Overlay
-86.25,3.75 to -3.75,3.75 on Top Overlay
-3.75,127.5 to -86.25,127.5 on Top Overlay
-3.75,3.75 to -3.75,86.25 on Top Overlay
-25,65 to -25,25 on Top Overlay
-3.75,127.5 to -3.75,86.25 on Top Overlay

## Text inside footprints (layer, text, board x,y; h text height)
J2: Top Assy "1" at -11.641,125.9 h0.5 r180; Top Assy "5" at -14.783,125.9 h0.5 r180